# KiCad board Leopold Replacement.kicad_pcb (continued)
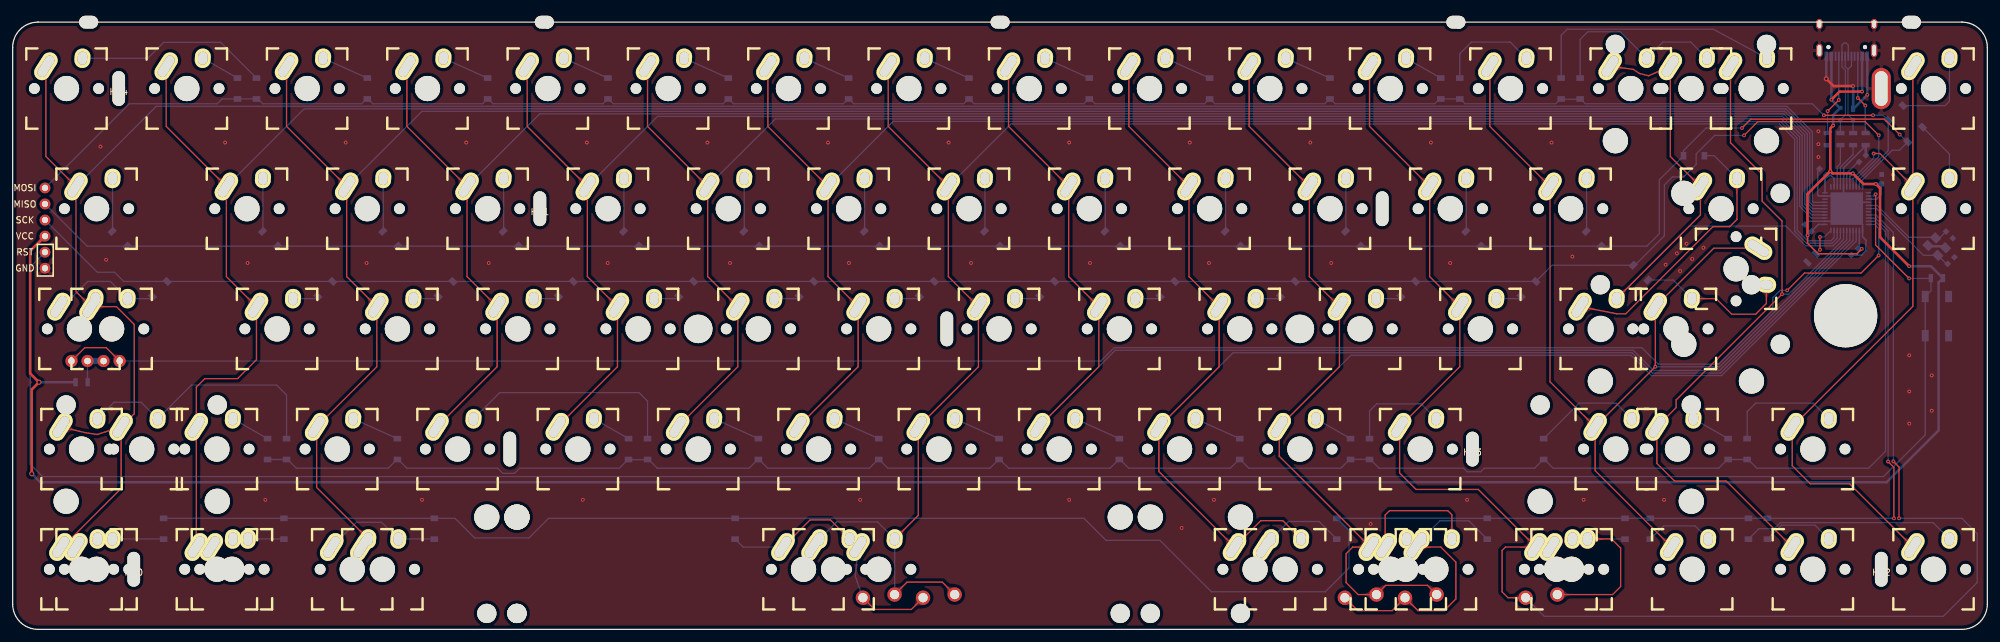
[diagram p0: board, top side]
## Copper pours and planes (outline as drawn; the poured copper is in the pictures) (continued)
Col7 on Top: 147.17,7.02 147.24,6.95 147.29,6.89 147.35,6.82 147.39,6.76 147.44,6.7 147.47,6.64 147.5,6.58 147.53,6.52 147.55,6.46 147.57,6.41 147.59,6.35 147.6,6.3 147.61,6.24 147.65,5.65 147.66,5.58 147.67,5.52 147.68,5.45 147.7,5.37 147.72,5.3 147.74,5.22 147.76,5.14 149.22,5.11 149.2,6.57 149.11,6.59 149.04,6.62 148.96,6.64 148.89,6.65 148.82,6.66 148.75,6.67 148.68,6.68 148.09,6.73 148.04,6.73 147.98,6.75 147.93,6.76 147.87,6.78 147.81,6.8 147.75,6.83 147.7,6.86 147.64,6.9 147.57,6.94 147.51,6.98 147.45,7.04 147.38,7.1 147.31,7.16
Col7 on Top: 143.17,29.55 143.17,29.65 143.18,29.75 143.19,29.84 143.2,29.93 143.22,30.01 143.24,30.09 143.26,30.16 143.29,30.22 143.31,30.28 143.34,30.34 143.38,30.4 143.41,30.45 143.45,30.5 143.49,30.55 143.83,30.94 143.88,31 143.93,31.06 143.97,31.12 144.02,31.18 144.07,31.25 144.11,31.33 144.15,31.41 144.2,31.49 143.07,32.66 141.95,31.49 141.99,31.41 142.03,31.33 142.08,31.25 142.13,31.18 142.17,31.12 142.22,31.06 142.26,31 142.31,30.94 142.66,30.55 142.7,30.5 142.73,30.45 142.77,30.4 142.8,30.34 142.83,30.28 142.86,30.22 142.88,30.16 142.91,30.09 142.93,30.01 142.94,29.93 142.96,29.84 142.96,29.75 142.97,29.65 142.97,29.55
Col7 on Top: 141.03,16.13 140.96,16.05 140.88,15.99 140.81,15.93 140.74,15.88 140.67,15.83 140.6,15.79 140.54,15.76 140.47,15.73 140.41,15.7 140.35,15.68 140.29,15.67 140.22,15.65 140.16,15.64 140.1,15.64 139.58,15.61 139.51,15.6 139.43,15.59 139.35,15.58 139.28,15.57 139.19,15.55 139.11,15.53 139.02,15.51 138.93,15.48 138.9,13.85 140.52,13.89 140.55,13.98 140.58,14.06 140.6,14.15 140.62,14.23 140.63,14.31 140.64,14.38 140.65,14.46 140.65,14.53 140.68,15.05 140.69,15.11 140.7,15.18 140.71,15.24 140.73,15.3 140.75,15.36 140.78,15.43 140.8,15.49 140.84,15.56 140.88,15.62 140.92,15.69 140.98,15.76 141.03,15.83 141.1,15.91 141.17,15.99
Col7 on Bottom: 129.15,16.13 129.07,16.05 129,15.99 128.93,15.93 128.86,15.88 128.79,15.83 128.72,15.79 128.66,15.76 128.59,15.73 128.53,15.7 128.47,15.68 128.4,15.67 128.34,15.65 128.28,15.64 128.22,15.64 127.7,15.61 127.62,15.6 127.55,15.59 127.47,15.58 127.39,15.57 127.31,15.55 127.23,15.53 127.14,15.51 127.05,15.48 127.02,13.85 128.64,13.89 128.67,13.98 128.7,14.06 128.72,14.15 128.73,14.23 128.75,14.31 128.76,14.38 128.77,14.46 128.77,14.53 128.8,15.05 128.81,15.11 128.82,15.18 128.83,15.24 128.85,15.3 128.87,15.36 128.89,15.43 128.92,15.49 128.96,15.56 129,15.62 129.04,15.69 129.09,15.76 129.15,15.83 129.22,15.91 129.29,15.99
Col7 on Bottom: 137.51,15.99 137.58,15.91 137.65,15.83 137.71,15.76 137.76,15.69 137.81,15.62 137.85,15.56 137.88,15.49 137.91,15.43 137.93,15.36 137.95,15.3 137.97,15.24 137.98,15.18 137.99,15.11 138,15.05 138.03,14.53 138.04,14.46 138.04,14.38 138.06,14.31 138.07,14.23 138.09,14.15 138.11,14.06 138.13,13.98 138.16,13.89 139.78,13.85 139.75,15.48 139.66,15.51 139.57,15.53 139.49,15.55 139.41,15.57 139.33,15.58 139.25,15.59 139.18,15.6 139.11,15.61 138.58,15.64 138.52,15.64 138.46,15.65 138.4,15.67 138.34,15.68 138.27,15.7 138.21,15.73 138.15,15.76 138.08,15.79 138.01,15.83 137.95,15.88 137.87,15.93 137.8,15.99 137.73,16.05 137.65,16.13
Col7 on Bottom: 139.44,11.81 139.44,11.91 139.45,12.01 139.46,12.1 139.47,12.19 139.49,12.27 139.51,12.35 139.53,12.42 139.56,12.48 139.58,12.54 139.61,12.6 139.65,12.66 139.68,12.71 139.72,12.76 139.75,12.81 140.1,13.2 140.15,13.26 140.2,13.32 140.24,13.38 140.29,13.44 140.33,13.51 140.38,13.59 140.42,13.67 140.47,13.75 139.34,14.92 138.22,13.75 138.26,13.67 138.3,13.59 138.35,13.51 138.4,13.44 138.44,13.38 138.49,13.32 138.53,13.26 138.58,13.2 138.93,12.81 138.97,12.76 139,12.71 139.04,12.66 139.07,12.6 139.1,12.54 139.13,12.48 139.15,12.42 139.18,12.35 139.2,12.27 139.21,12.19 139.23,12.1 139.23,12.01 139.24,11.91 139.24,11.81
Col7 on Bottom: 139.24,7.76 139.24,7.66 139.24,7.58 139.23,7.49 139.22,7.41 139.2,7.34 139.18,7.27 139.16,7.21 139.14,7.15 139.12,7.1 139.09,7.04 139.06,6.99 139.03,6.94 139,6.9 138.96,6.85 138.61,6.45 138.57,6.4 138.52,6.35 138.48,6.29 138.44,6.23 138.4,6.16 138.36,6.09 138.32,6.01 139.31,4.94 140.34,5.98 140.31,6.06 140.27,6.13 140.23,6.2 140.19,6.26 140.15,6.32 140.11,6.38 140.07,6.43 139.68,6.89 139.65,6.93 139.62,6.98 139.59,7.03 139.57,7.09 139.54,7.14 139.52,7.2 139.5,7.27 139.48,7.34 139.47,7.41 139.46,7.49 139.45,7.57 139.44,7.66 139.44,7.76
Col7 on Bottom: 149.51,71.89 149.44,71.81 149.36,71.75 149.29,71.69 149.22,71.64 149.15,71.59 149.09,71.55 149.02,71.52 148.96,71.49 148.89,71.46 148.83,71.44 148.77,71.43 148.71,71.41 148.64,71.4 148.58,71.4 148.06,71.37 147.99,71.36 147.91,71.35 147.84,71.34 147.76,71.33 147.68,71.31 147.59,71.29 147.51,71.27 147.41,71.24 147.38,69.61 149.01,69.65 149.04,69.74 149.06,69.82 149.08,69.91 149.1,69.99 149.11,70.07 149.12,70.14 149.13,70.22 149.14,70.29 149.17,70.81 149.17,70.87 149.18,70.94 149.2,71 149.21,71.06 149.23,71.12 149.26,71.19 149.29,71.25 149.32,71.32 149.36,71.38 149.41,71.45 149.46,71.52 149.52,71.59 149.58,71.67 149.66,71.75
Col8 on Top: 165,71.75 165.08,71.67 165.14,71.59 165.2,71.52 165.25,71.45 165.3,71.38 165.34,71.32 165.37,71.25 165.4,71.19 165.43,71.12 165.45,71.06 165.46,71 165.48,70.94 165.49,70.87 165.49,70.81 165.52,70.29 165.53,70.22 165.54,70.14 165.55,70.07 165.56,69.99 165.58,69.91 165.6,69.82 165.62,69.74 165.65,69.65 167.28,69.61 167.25,71.24 167.15,71.27 167.07,71.29 166.98,71.31 166.9,71.33 166.82,71.34 166.75,71.35 166.67,71.36 166.6,71.37 166.08,71.4 166.02,71.4 165.95,71.41 165.89,71.43 165.83,71.44 165.77,71.46 165.7,71.49 165.64,71.52 165.57,71.55 165.51,71.59 165.44,71.64 165.37,71.69 165.3,71.75 165.22,71.81 165.15,71.89
Col8 on Top: 157.43,86.58 157.43,86.68 157.44,86.78 157.45,86.87 157.46,86.96 157.48,87.04 157.5,87.12 157.52,87.19 157.54,87.25 157.57,87.31 157.6,87.37 157.63,87.43 157.67,87.48 157.7,87.53 157.74,87.58 158.09,87.97 158.14,88.03 158.18,88.09 158.23,88.15 158.28,88.21 158.32,88.28 158.37,88.36 158.41,88.44 158.46,88.52 157.33,89.69 156.21,88.52 156.25,88.44 156.29,88.36 156.34,88.28 156.38,88.21 156.43,88.15 156.48,88.09 156.52,88.03 156.57,87.97 156.92,87.58 156.96,87.53 156.99,87.48 157.03,87.43 157.06,87.37 157.09,87.31 157.12,87.25 157.14,87.19 157.16,87.12 157.18,87.04 157.2,86.96 157.21,86.87 157.22,86.78 157.23,86.68 157.23,86.58
Col8 on Top: 169.76,52.74 169.83,52.66 169.9,52.58 169.95,52.51 170.01,52.44 170.05,52.37 170.09,52.31 170.13,52.24 170.15,52.18 170.18,52.11 170.2,52.05 170.22,51.99 170.23,51.93 170.24,51.86 170.25,51.8 170.28,51.28 170.28,51.21 170.29,51.13 170.3,51.06 170.31,50.98 170.33,50.9 170.35,50.81 170.38,50.73 170.41,50.64 172.03,50.6 172,52.23 171.91,52.26 171.82,52.28 171.73,52.3 171.65,52.32 171.57,52.33 171.5,52.34 171.42,52.35 171.35,52.36 170.83,52.39 170.77,52.39 170.71,52.4 170.64,52.42 170.58,52.43 170.52,52.45 170.46,52.48 170.39,52.51 170.33,52.54 170.26,52.58 170.19,52.63 170.12,52.68 170.05,52.74 169.97,52.8 169.9,52.88
Col8 on Top: 166.94,67.57 166.94,67.67 166.94,67.77 166.95,67.86 166.97,67.95 166.98,68.03 167,68.11 167.02,68.18 167.05,68.24 167.08,68.3 167.11,68.36 167.14,68.42 167.17,68.47 167.21,68.52 167.25,68.57 167.6,68.96 167.64,69.02 167.69,69.08 167.74,69.14 167.78,69.2 167.83,69.27 167.87,69.35 167.92,69.43 167.96,69.51 166.84,70.68 165.71,69.51 165.75,69.43 165.8,69.35 165.84,69.27 165.89,69.2 165.93,69.14 165.98,69.08 166.03,69.02 166.07,68.96 166.42,68.57 166.46,68.52 166.5,68.47 166.53,68.42 166.56,68.36 166.59,68.3 166.62,68.24 166.65,68.18 166.67,68.11 166.69,68.03 166.7,67.95 166.72,67.86 166.73,67.77 166.73,67.67 166.74,67.57
Col8 on Top: 163.77,33.87 163.7,33.79 163.62,33.73 163.55,33.67 163.48,33.62 163.41,33.57 163.34,33.53 163.28,33.5 163.21,33.47 163.15,33.44 163.09,33.42 163.03,33.41 162.96,33.39 162.9,33.38 162.84,33.38 162.32,33.35 162.25,33.34 162.17,33.33 162.1,33.32 162.02,33.31 161.94,33.29 161.85,33.27 161.76,33.25 161.67,33.22 161.64,31.59 163.26,31.63 163.29,31.72 163.32,31.8 163.34,31.89 163.36,31.97 163.37,32.05 163.38,32.12 163.39,32.2 163.39,32.27 163.42,32.79 163.43,32.85 163.44,32.92 163.45,32.98 163.47,33.04 163.49,33.1 163.52,33.17 163.54,33.23 163.58,33.3 163.62,33.36 163.66,33.43 163.72,33.5 163.77,33.57 163.84,33.65 163.91,33.73
Col8 on Top: 171.69,48.56 171.69,48.66 171.7,48.76 171.7,48.85 171.72,48.94 171.73,49.02 171.75,49.1 171.78,49.17 171.8,49.23 171.83,49.29 171.86,49.35 171.89,49.41 171.93,49.46 171.96,49.51 172,49.56 172.35,49.95 172.4,50.01 172.44,50.07 172.49,50.13 172.53,50.19 172.58,50.26 172.63,50.34 172.67,50.42 172.71,50.5 171.59,51.67 170.46,50.5 170.51,50.42 170.55,50.34 170.59,50.26 170.64,50.19 170.69,50.13 170.73,50.07 170.78,50.01 170.83,49.95 171.17,49.56 171.21,49.51 171.25,49.46 171.28,49.41 171.32,49.35 171.35,49.29 171.37,49.23 171.4,49.17 171.42,49.1 171.44,49.02 171.46,48.94 171.47,48.85 171.48,48.76 171.49,48.66 171.49,48.56
Col8 on Bottom: 163.77,33.87 163.7,33.79 163.62,33.73 163.55,33.67 163.48,33.62 163.41,33.57 163.34,33.53 163.28,33.5 163.21,33.47 163.15,33.44 163.09,33.42 163.03,33.41 162.96,33.39 162.9,33.38 162.84,33.38 162.32,33.35 162.25,33.34 162.17,33.33 162.1,33.32 162.02,33.31 161.94,33.29 161.85,33.27 161.76,33.25 161.67,33.22 161.64,31.59 163.26,31.63 163.29,31.72 163.32,31.8 163.34,31.89 163.36,31.97 163.37,32.05 163.38,32.12 163.39,32.2 163.39,32.27 163.42,32.79 163.43,32.85 163.44,32.92 163.45,32.98 163.47,33.04 163.49,33.1 163.52,33.17 163.54,33.23 163.58,33.3 163.62,33.36 163.66,33.43 163.72,33.5 163.77,33.57 163.84,33.65 163.91,33.73
Col9 on Top: 184.01,71.75 184.09,71.67 184.15,71.59 184.21,71.52 184.26,71.45 184.31,71.38 184.35,71.32 184.38,71.25 184.41,71.19 184.44,71.12 184.46,71.06 184.47,71 184.49,70.94 184.5,70.87 184.5,70.81 184.53,70.29 184.54,70.22 184.55,70.14 184.56,70.07 184.57,69.99 184.59,69.91 184.61,69.82 184.63,69.74 184.66,69.65 186.29,69.61 186.26,71.24 186.16,71.27 186.08,71.29 185.99,71.31 185.91,71.33 185.83,71.34 185.76,71.35 185.68,71.36 185.61,71.37 185.09,71.4 185.03,71.4 184.96,71.41 184.9,71.43 184.84,71.44 184.78,71.46 184.71,71.49 184.65,71.52 184.58,71.55 184.52,71.59 184.45,71.64 184.38,71.69 184.31,71.75 184.23,71.81 184.16,71.89
Col9 on Top: 188.77,52.74 188.84,52.66 188.91,52.58 188.96,52.51 189.02,52.44 189.06,52.37 189.1,52.31 189.14,52.24 189.16,52.18 189.19,52.11 189.21,52.05 189.23,51.99 189.24,51.93 189.25,51.86 189.26,51.8 189.29,51.28 189.29,51.21 189.3,51.13 189.31,51.06 189.32,50.98 189.34,50.9 189.36,50.81 189.39,50.73 189.42,50.64 191.04,50.6 191.01,52.23 190.92,52.26 190.83,52.28 190.74,52.3 190.66,52.32 190.58,52.33 190.51,52.34 190.43,52.35 190.36,52.36 189.84,52.39 189.78,52.39 189.72,52.4 189.65,52.42 189.59,52.43 189.53,52.45 189.47,52.48 189.4,52.51 189.34,52.54 189.27,52.58 189.2,52.63 189.13,52.68 189.06,52.74 188.98,52.8 188.91,52.88
Col9 on Top: 185.94,67.57 185.95,67.67 185.95,67.77 185.96,67.86 185.98,67.95 185.99,68.03 186.01,68.11 186.03,68.18 186.06,68.24 186.09,68.3 186.12,68.36 186.15,68.42 186.18,68.47 186.22,68.52 186.26,68.57 186.61,68.96 186.65,69.02 186.7,69.08 186.75,69.14 186.79,69.2 186.84,69.27 186.88,69.35 186.93,69.43 186.97,69.51 185.84,70.68 184.72,69.51 184.76,69.43 184.81,69.35 184.85,69.27 184.9,69.2 184.94,69.14 184.99,69.08 185.04,69.02 185.08,68.96 185.43,68.57 185.47,68.52 185.51,68.47 185.54,68.42 185.57,68.36 185.6,68.3 185.63,68.24 185.66,68.18 185.68,68.11 185.7,68.03 185.71,67.95 185.73,67.86 185.74,67.77 185.74,67.67 185.75,67.57
Col9 on Top: 176.44,86.58 176.44,86.68 176.45,86.78 176.46,86.87 176.47,86.96 176.49,87.04 176.51,87.12 176.53,87.19 176.55,87.25 176.58,87.31 176.61,87.37 176.64,87.43 176.68,87.48 176.71,87.53 176.75,87.58 177.1,87.97 177.15,88.03 177.19,88.09 177.24,88.15 177.29,88.21 177.33,88.28 177.38,88.36 177.42,88.44 177.47,88.52 176.34,89.69 175.22,88.52 175.26,88.44 175.3,88.36 175.35,88.28 175.39,88.21 175.44,88.15 175.49,88.09 175.53,88.03 175.58,87.97 175.93,87.58 175.97,87.53 176,87.48 176.04,87.43 176.07,87.37 176.1,87.31 176.13,87.25 176.15,87.19 176.17,87.12 176.19,87.04 176.21,86.96 176.22,86.87 176.23,86.78 176.24,86.68 176.24,86.58
Col9 on Top: 182.78,33.87 182.71,33.79 182.63,33.73 182.56,33.67 182.49,33.62 182.42,33.57 182.35,33.53 182.29,33.5 182.22,33.47 182.16,33.44 182.1,33.42 182.04,33.41 181.97,33.39 181.91,33.38 181.85,33.38 181.33,33.35 181.26,33.34 181.18,33.33 181.11,33.32 181.03,33.31 180.95,33.29 180.86,33.27 180.77,33.25 180.68,33.22 180.65,31.59 182.27,31.63 182.3,31.72 182.33,31.8 182.35,31.89 182.37,31.97 182.38,32.05 182.39,32.12 182.4,32.2 182.4,32.27 182.43,32.79 182.44,32.85 182.45,32.92 182.46,32.98 182.48,33.04 182.5,33.1 182.53,33.17 182.55,33.23 182.59,33.3 182.63,33.36 182.67,33.43 182.73,33.5 182.78,33.57 182.85,33.65 182.92,33.73
Col9 on Top: 190.7,48.56 190.7,48.66 190.71,48.76 190.71,48.85 190.73,48.94 190.74,49.02 190.76,49.1 190.79,49.17 190.81,49.23 190.84,49.29 190.87,49.35 190.9,49.41 190.94,49.46 190.97,49.51 191.01,49.56 191.36,49.95 191.41,50.01 191.45,50.07 191.5,50.13 191.54,50.19 191.59,50.26 191.64,50.34 191.68,50.42 191.72,50.5 190.6,51.67 189.47,50.5 189.52,50.42 189.56,50.34 189.6,50.26 189.65,50.19 189.7,50.13 189.74,50.07 189.79,50.01 189.84,49.95 190.18,49.56 190.22,49.51 190.26,49.46 190.29,49.41 190.33,49.35 190.36,49.29 190.38,49.23 190.41,49.17 190.43,49.1 190.45,49.02 190.47,48.94 190.48,48.85 190.49,48.76 190.5,48.66 190.5,48.56
Col9 on Top: 191.19,14.72 191.27,14.64 191.33,14.56 191.39,14.49 191.44,14.42 191.49,14.35 191.53,14.29 191.56,14.22 191.59,14.16 191.62,14.09 191.64,14.03 191.65,13.97 191.66,13.91 191.68,13.84 191.68,13.78 191.71,13.26 191.72,13.19 191.73,13.11 191.74,13.04 191.75,12.96 191.77,12.88 191.79,12.79 191.81,12.71 191.84,12.62 193.47,12.58 193.43,14.21 193.34,14.24 193.26,14.26 193.17,14.28 193.09,14.3 193.01,14.31 192.94,14.32 192.86,14.33 192.79,14.34 192.27,14.37 192.2,14.37 192.14,14.38 192.08,14.4 192.02,14.41 191.96,14.43 191.89,14.46 191.83,14.49 191.76,14.52 191.7,14.56 191.63,14.61 191.56,14.66 191.48,14.72 191.41,14.78 191.33,14.86
Col9 on Top: 194.71,14.86 194.64,14.78 194.56,14.72 194.49,14.66 194.42,14.61 194.35,14.56 194.29,14.52 194.22,14.49 194.16,14.46 194.09,14.43 194.03,14.41 193.97,14.4 193.91,14.38 193.84,14.37 193.78,14.37 193.26,14.34 193.19,14.33 193.11,14.32 193.04,14.31 192.96,14.3 192.88,14.28 192.79,14.26 192.7,14.24 192.61,14.21 192.58,12.58 194.2,12.62 194.23,12.71 194.26,12.79 194.28,12.88 194.3,12.96 194.31,13.04 194.32,13.11 194.33,13.19 194.34,13.26 194.37,13.78 194.37,13.84 194.38,13.91 194.4,13.97 194.41,14.03 194.43,14.09 194.46,14.16 194.49,14.22 194.52,14.29 194.56,14.35 194.61,14.42 194.66,14.49 194.72,14.56 194.78,14.64 194.86,14.72
Col9 on Top: 201.72,15.99 201.79,15.91 201.86,15.83 201.92,15.76 201.97,15.69 202.02,15.62 202.06,15.56 202.09,15.49 202.12,15.43 202.14,15.36 202.16,15.3 202.18,15.24 202.19,15.18 202.2,15.11 202.21,15.05 202.24,14.53 202.25,14.46 202.25,14.38 202.26,14.31 202.28,14.23 202.3,14.15 202.32,14.06 202.34,13.98 202.37,13.89 203.99,13.85 203.96,15.48 203.87,15.51 203.78,15.53 203.7,15.55 203.62,15.57 203.54,15.58 203.46,15.59 203.39,15.6 203.32,15.61 202.79,15.64 202.73,15.64 202.67,15.65 202.61,15.67 202.55,15.68 202.48,15.7 202.42,15.73 202.36,15.76 202.29,15.79 202.22,15.83 202.15,15.88 202.08,15.93 202.01,15.99 201.94,16.05 201.86,16.13
Col9 on Top: 181.19,29.55 181.19,29.65 181.2,29.75 181.21,29.84 181.22,29.93 181.24,30.01 181.26,30.09 181.28,30.16 181.31,30.22 181.33,30.28 181.36,30.34 181.4,30.4 181.43,30.45 181.47,30.5 181.51,30.55 181.85,30.94 181.9,31 181.95,31.06 181.99,31.12 182.04,31.18 182.09,31.25 182.13,31.33 182.17,31.41 182.22,31.49 181.09,32.66 179.97,31.49 180.01,31.41 180.05,31.33 180.1,31.25 180.15,31.18 180.19,31.12 180.24,31.06 180.28,31 180.33,30.94 180.68,30.55 180.72,30.5 180.75,30.45 180.79,30.4 180.82,30.34 180.85,30.28 180.88,30.22 180.9,30.16 180.93,30.09 180.95,30.01 180.96,29.93 180.98,29.84 180.98,29.75 180.99,29.65 180.99,29.55
Col9 on Bottom: 182.78,33.87 182.71,33.79 182.63,33.73 182.56,33.67 182.49,33.62 182.42,33.57 182.35,33.53 182.29,33.5 182.22,33.47 182.16,33.44 182.1,33.42 182.04,33.41 181.97,33.39 181.91,33.38 181.85,33.38 181.33,33.35 181.26,33.34 181.18,33.33 181.11,33.32 181.03,33.31 180.95,33.29 180.86,33.27 180.77,33.25 180.68,33.22 180.65,31.59 182.27,31.63 182.3,31.72 182.33,31.8 182.35,31.89 182.37,31.97 182.38,32.05 182.39,32.12 182.4,32.2 182.4,32.27 182.43,32.79 182.44,32.85 182.45,32.92 182.46,32.98 182.48,33.04 182.5,33.1 182.53,33.17 182.55,33.23 182.59,33.3 182.63,33.36 182.67,33.43 182.73,33.5 182.78,33.57 182.85,33.65 182.92,33.73
Col10 on Top: 216.74,15.52 216.73,15.41 216.73,15.31 216.72,15.22 216.71,15.13 216.69,15.05 216.67,14.98 216.65,14.91 216.62,14.84 216.6,14.78 216.57,14.72 216.53,14.66 216.5,14.61 216.46,14.56 216.42,14.51 216.07,14.12 216.03,14.06 215.98,14.01 215.94,13.94 215.89,13.88 215.84,13.81 215.8,13.73 215.75,13.66 215.71,13.57 216.84,12.4 217.96,13.57 217.92,13.66 217.87,13.73 217.83,13.81 217.78,13.88 217.74,13.94 217.69,14.01 217.64,14.06 217.6,14.12 217.25,14.51 217.21,14.56 217.17,14.61 217.14,14.66 217.11,14.72 217.08,14.78 217.05,14.84 217.02,14.91 217,14.98 216.98,15.05 216.97,15.13 216.95,15.22 216.94,15.31 216.94,15.41 216.94,15.52
Col10 on Top: 217.11,7.06 217.03,7.06 216.95,7.05 216.88,7.05 216.81,7.04 216.75,7.03 216.69,7.02 216.63,7 216.58,6.98 216.52,6.97 215.9,6.69 215.84,6.67 215.79,6.66 215.73,6.65 215.67,6.64 215.61,6.64 215.54,6.63 215.46,6.63 215.06,5.11 216.52,5.14 216.55,5.21 216.57,5.29 216.58,5.37 216.59,5.45 216.6,5.53 216.6,5.61 216.6,5.69 216.6,5.77 216.58,6.22 216.58,6.29 216.58,6.35 216.58,6.41 216.59,6.47 216.6,6.53 216.62,6.58 216.64,6.63 216.66,6.68 216.69,6.72 216.73,6.75 216.77,6.79 216.82,6.81 216.88,6.83 216.95,6.85 217.03,6.86 217.11,6.86
Col10 on Top: 213.22,5.41 213.31,5.4 213.4,5.4 213.49,5.39 213.56,5.38 213.64,5.36 213.7,5.35 213.77,5.33 213.83,5.31 213.88,5.28 213.94,5.25 213.99,5.23 214.03,5.19 214.08,5.16 214.53,4.78 214.58,4.74 214.64,4.69 214.69,4.65 214.76,4.61 214.82,4.57 214.9,4.53 214.97,4.49 216.02,5.51 214.97,6.52 214.9,6.48 214.82,6.44 214.76,6.4 214.69,6.36 214.64,6.32 214.58,6.28 214.53,6.23 214.08,5.85 214.03,5.82 213.99,5.79 213.94,5.76 213.88,5.73 213.83,5.71 213.77,5.68 213.7,5.66 213.64,5.65 213.56,5.63 213.49,5.62 213.4,5.61 213.31,5.61 213.22,5.61
Col10 on Top: 211.97,12.93 212.08,12.92 212.18,12.92 212.27,12.91 212.35,12.9 212.43,12.88 212.51,12.86 212.58,12.84 212.65,12.81 212.71,12.78 212.77,12.75 212.82,12.72 212.88,12.69 212.93,12.65 212.98,12.61 213.37,12.26 213.42,12.22 213.48,12.17 213.54,12.12 213.61,12.08 213.68,12.03 213.75,11.99 213.83,11.94 213.91,11.9 215.08,13.03 213.91,14.15 213.83,14.11 213.75,14.06 213.68,14.02 213.61,13.97 213.54,13.93 213.48,13.88 213.42,13.83 213.37,13.79 212.98,13.44 212.93,13.4 212.88,13.36 212.82,13.33 212.77,13.3 212.71,13.27 212.65,13.24 212.58,13.21 212.51,13.19 212.43,13.17 212.35,13.16 212.27,13.14 212.18,13.13 212.08,13.13 211.97,13.13
Col10 on Top: 223.31,6.86 223.4,6.86 223.48,6.85 223.55,6.83 223.6,6.81 223.66,6.79 223.7,6.75 223.74,6.72 223.77,6.68 223.79,6.63 223.81,6.58 223.83,6.53 223.84,6.47 223.85,6.41 223.85,6.35 223.85,6.29 223.85,6.22 223.83,5.77 223.83,5.69 223.83,5.61 223.83,5.53 223.84,5.45 223.85,5.37 223.86,5.29 223.88,5.21 223.9,5.14 225.36,5.11 224.97,6.63 224.89,6.63 224.82,6.64 224.76,6.64 224.7,6.65 224.64,6.66 224.59,6.67 224.53,6.69 223.9,6.97 223.85,6.98 223.8,7 223.74,7.02 223.68,7.03 223.62,7.04 223.55,7.05 223.48,7.05 223.4,7.06 223.31,7.06
Col10 on Top: 203.02,71.75 203.1,71.67 203.16,71.59 203.22,71.52 203.27,71.45 203.32,71.38 203.36,71.32 203.39,71.25 203.42,71.19 203.45,71.12 203.47,71.06 203.48,71 203.5,70.94 203.51,70.87 203.51,70.81 203.54,70.29 203.55,70.22 203.56,70.14 203.57,70.07 203.58,69.99 203.6,69.91 203.62,69.82 203.64,69.74 203.67,69.65 205.3,69.61 205.27,71.24 205.17,71.27 205.09,71.29 205,71.31 204.92,71.33 204.84,71.34 204.77,71.35 204.69,71.36 204.62,71.37 204.1,71.4 204.04,71.4 203.97,71.41 203.91,71.43 203.85,71.44 203.79,71.46 203.72,71.49 203.66,71.52 203.59,71.55 203.53,71.59 203.46,71.64 203.39,71.69 203.32,71.75 203.24,71.81 203.17,71.89
Col10 on Top: 195.45,86.58 195.45,86.68 195.46,86.78 195.47,86.87 195.48,86.96 195.5,87.04 195.52,87.12 195.54,87.19 195.56,87.25 195.59,87.31 195.62,87.37 195.65,87.43 195.69,87.48 195.72,87.53 195.76,87.58 196.11,87.97 196.16,88.03 196.2,88.09 196.25,88.15 196.3,88.21 196.34,88.28 196.39,88.36 196.43,88.44 196.47,88.52 195.35,89.69 194.22,88.52 194.27,88.44 194.31,88.36 194.36,88.28 194.4,88.21 194.45,88.15 194.5,88.09 194.54,88.03 194.59,87.97 194.94,87.58 194.98,87.53 195.01,87.48 195.05,87.43 195.08,87.37 195.11,87.31 195.14,87.25 195.16,87.19 195.18,87.12 195.2,87.04 195.22,86.96 195.23,86.87 195.24,86.78 195.25,86.68 195.25,86.58
Col10 on Top: 207.78,52.74 207.85,52.66 207.92,52.58 207.97,52.51 208.03,52.44 208.07,52.37 208.11,52.31 208.15,52.24 208.17,52.18 208.2,52.11 208.22,52.05 208.24,51.99 208.25,51.93 208.26,51.86 208.27,51.8 208.3,51.28 208.3,51.21 208.31,51.13 208.32,51.06 208.33,50.98 208.35,50.9 208.37,50.81 208.4,50.73 208.43,50.64 210.05,50.6 210.02,52.23 209.93,52.26 209.84,52.28 209.75,52.3 209.67,52.32 209.59,52.33 209.52,52.34 209.44,52.35 209.37,52.36 208.85,52.39 208.79,52.39 208.73,52.4 208.66,52.42 208.6,52.43 208.54,52.45 208.48,52.48 208.41,52.51 208.35,52.54 208.28,52.58 208.21,52.63 208.14,52.68 208.07,52.74 207.99,52.8 207.92,52.88
Col10 on Top: 209.71,48.56 209.71,48.66 209.72,48.76 209.72,48.85 209.74,48.94 209.75,49.02 209.77,49.1 209.8,49.17 209.82,49.23 209.85,49.29 209.88,49.35 209.91,49.41 209.95,49.46 209.98,49.51 210.02,49.56 210.37,49.95 210.42,50.01 210.46,50.07 210.51,50.13 210.55,50.19 210.6,50.26 210.65,50.34 210.69,50.42 210.73,50.5 209.61,51.67 208.48,50.5 208.53,50.42 208.57,50.34 208.61,50.26 208.66,50.19 208.71,50.13 208.75,50.07 208.8,50.01 208.85,49.95 209.19,49.56 209.23,49.51 209.27,49.46 209.3,49.41 209.34,49.35 209.37,49.29 209.39,49.23 209.42,49.17 209.44,49.1 209.46,49.02 209.48,48.94 209.49,48.85 209.5,48.76 209.51,48.66 209.51,48.56
Col10 on Top: 204.96,67.57 204.96,67.67 204.96,67.77 204.97,67.86 204.99,67.95 205,68.03 205.02,68.11 205.04,68.18 205.07,68.24 205.1,68.3 205.13,68.36 205.16,68.42 205.19,68.47 205.23,68.52 205.27,68.57 205.62,68.96 205.66,69.02 205.71,69.08 205.76,69.14 205.8,69.2 205.85,69.27 205.89,69.35 205.94,69.43 205.98,69.51 204.85,70.68 203.73,69.51 203.77,69.43 203.82,69.35 203.86,69.27 203.91,69.2 203.95,69.14 204,69.08 204.05,69.02 204.09,68.96 204.44,68.57 204.48,68.52 204.52,68.47 204.55,68.42 204.58,68.36 204.61,68.3 204.64,68.24 204.67,68.18 204.69,68.11 204.71,68.03 204.72,67.95 204.74,67.86 204.75,67.77 204.75,67.67 204.75,67.57
Col10 on Top: 201.79,33.87 201.72,33.79 201.64,33.73 201.57,33.67 201.5,33.62 201.43,33.57 201.36,33.53 201.3,33.5 201.23,33.47 201.17,33.44 201.11,33.42 201.05,33.41 200.98,33.39 200.92,33.38 200.86,33.38 200.34,33.35 200.27,33.34 200.19,33.33 200.12,33.32 200.04,33.31 199.96,33.29 199.87,33.27 199.78,33.25 199.69,33.22 199.66,31.59 201.28,31.63 201.31,31.72 201.34,31.8 201.36,31.89 201.38,31.97 201.39,32.05 201.4,32.12 201.41,32.2 201.41,32.27 201.44,32.79 201.45,32.85 201.46,32.92 201.47,32.98 201.49,33.04 201.51,33.1 201.54,33.17 201.56,33.23 201.6,33.3 201.64,33.36 201.68,33.43 201.74,33.5 201.79,33.57 201.86,33.65 201.93,33.73
Col10 on Top: 200.2,29.55 200.2,29.65 200.21,29.75 200.22,29.84 200.23,29.93 200.25,30.01 200.27,30.09 200.29,30.16 200.32,30.22 200.34,30.28 200.37,30.34 200.41,30.4 200.44,30.45 200.48,30.5 200.52,30.55 200.86,30.94 200.91,31 200.96,31.06 201,31.12 201.05,31.18 201.1,31.25 201.14,31.33 201.18,31.41 201.23,31.49 200.1,32.66 198.98,31.49 199.02,31.41 199.06,31.33 199.11,31.25 199.16,31.18 199.2,31.12 199.25,31.06 199.29,31 199.34,30.94 199.69,30.55 199.73,30.5 199.76,30.45 199.8,30.4 199.83,30.34 199.86,30.28 199.89,30.22 199.91,30.16 199.94,30.09 199.96,30.01 199.97,29.93 199.99,29.84 199.99,29.75 200,29.65 200,29.55
Col10 on Top: 212.63,14.72 212.7,14.64 212.77,14.56 212.83,14.49 212.88,14.42 212.92,14.35 212.96,14.29 213,14.22 213.03,14.16 213.05,14.09 213.07,14.03 213.09,13.97 213.1,13.91 213.11,13.84 213.12,13.78 213.15,13.26 213.15,13.19 213.16,13.11 213.17,13.04 213.19,12.96 213.2,12.88 213.22,12.79 213.25,12.71 213.28,12.62 214.9,12.58 214.87,14.21 214.78,14.24 214.69,14.26 214.61,14.28 214.53,14.3 214.45,14.31 214.37,14.32 214.3,14.33 214.22,14.34 213.7,14.37 213.64,14.37 213.58,14.38 213.52,14.4 213.45,14.41 213.39,14.43 213.33,14.46 213.26,14.49 213.2,14.52 213.13,14.56 213.06,14.61 212.99,14.66 212.92,14.72 212.85,14.78 212.77,14.86
